# Altium PCB Cubli.PcbDoc (part 1 of 5)
Units mm, origin at the board's own origin, x right, y up, seen from the top; angles counter-clockwise.
Board outline 75.4 x 45.4 mm, 8 copper layers (Top Layer, GND 1, Signal 1, PWR 1, GND 2, Signal 2, PWR 2, Bottom Layer), stack 1.58 mm thick; 473 components, 286 nets, 1760 pads, 916 vias.
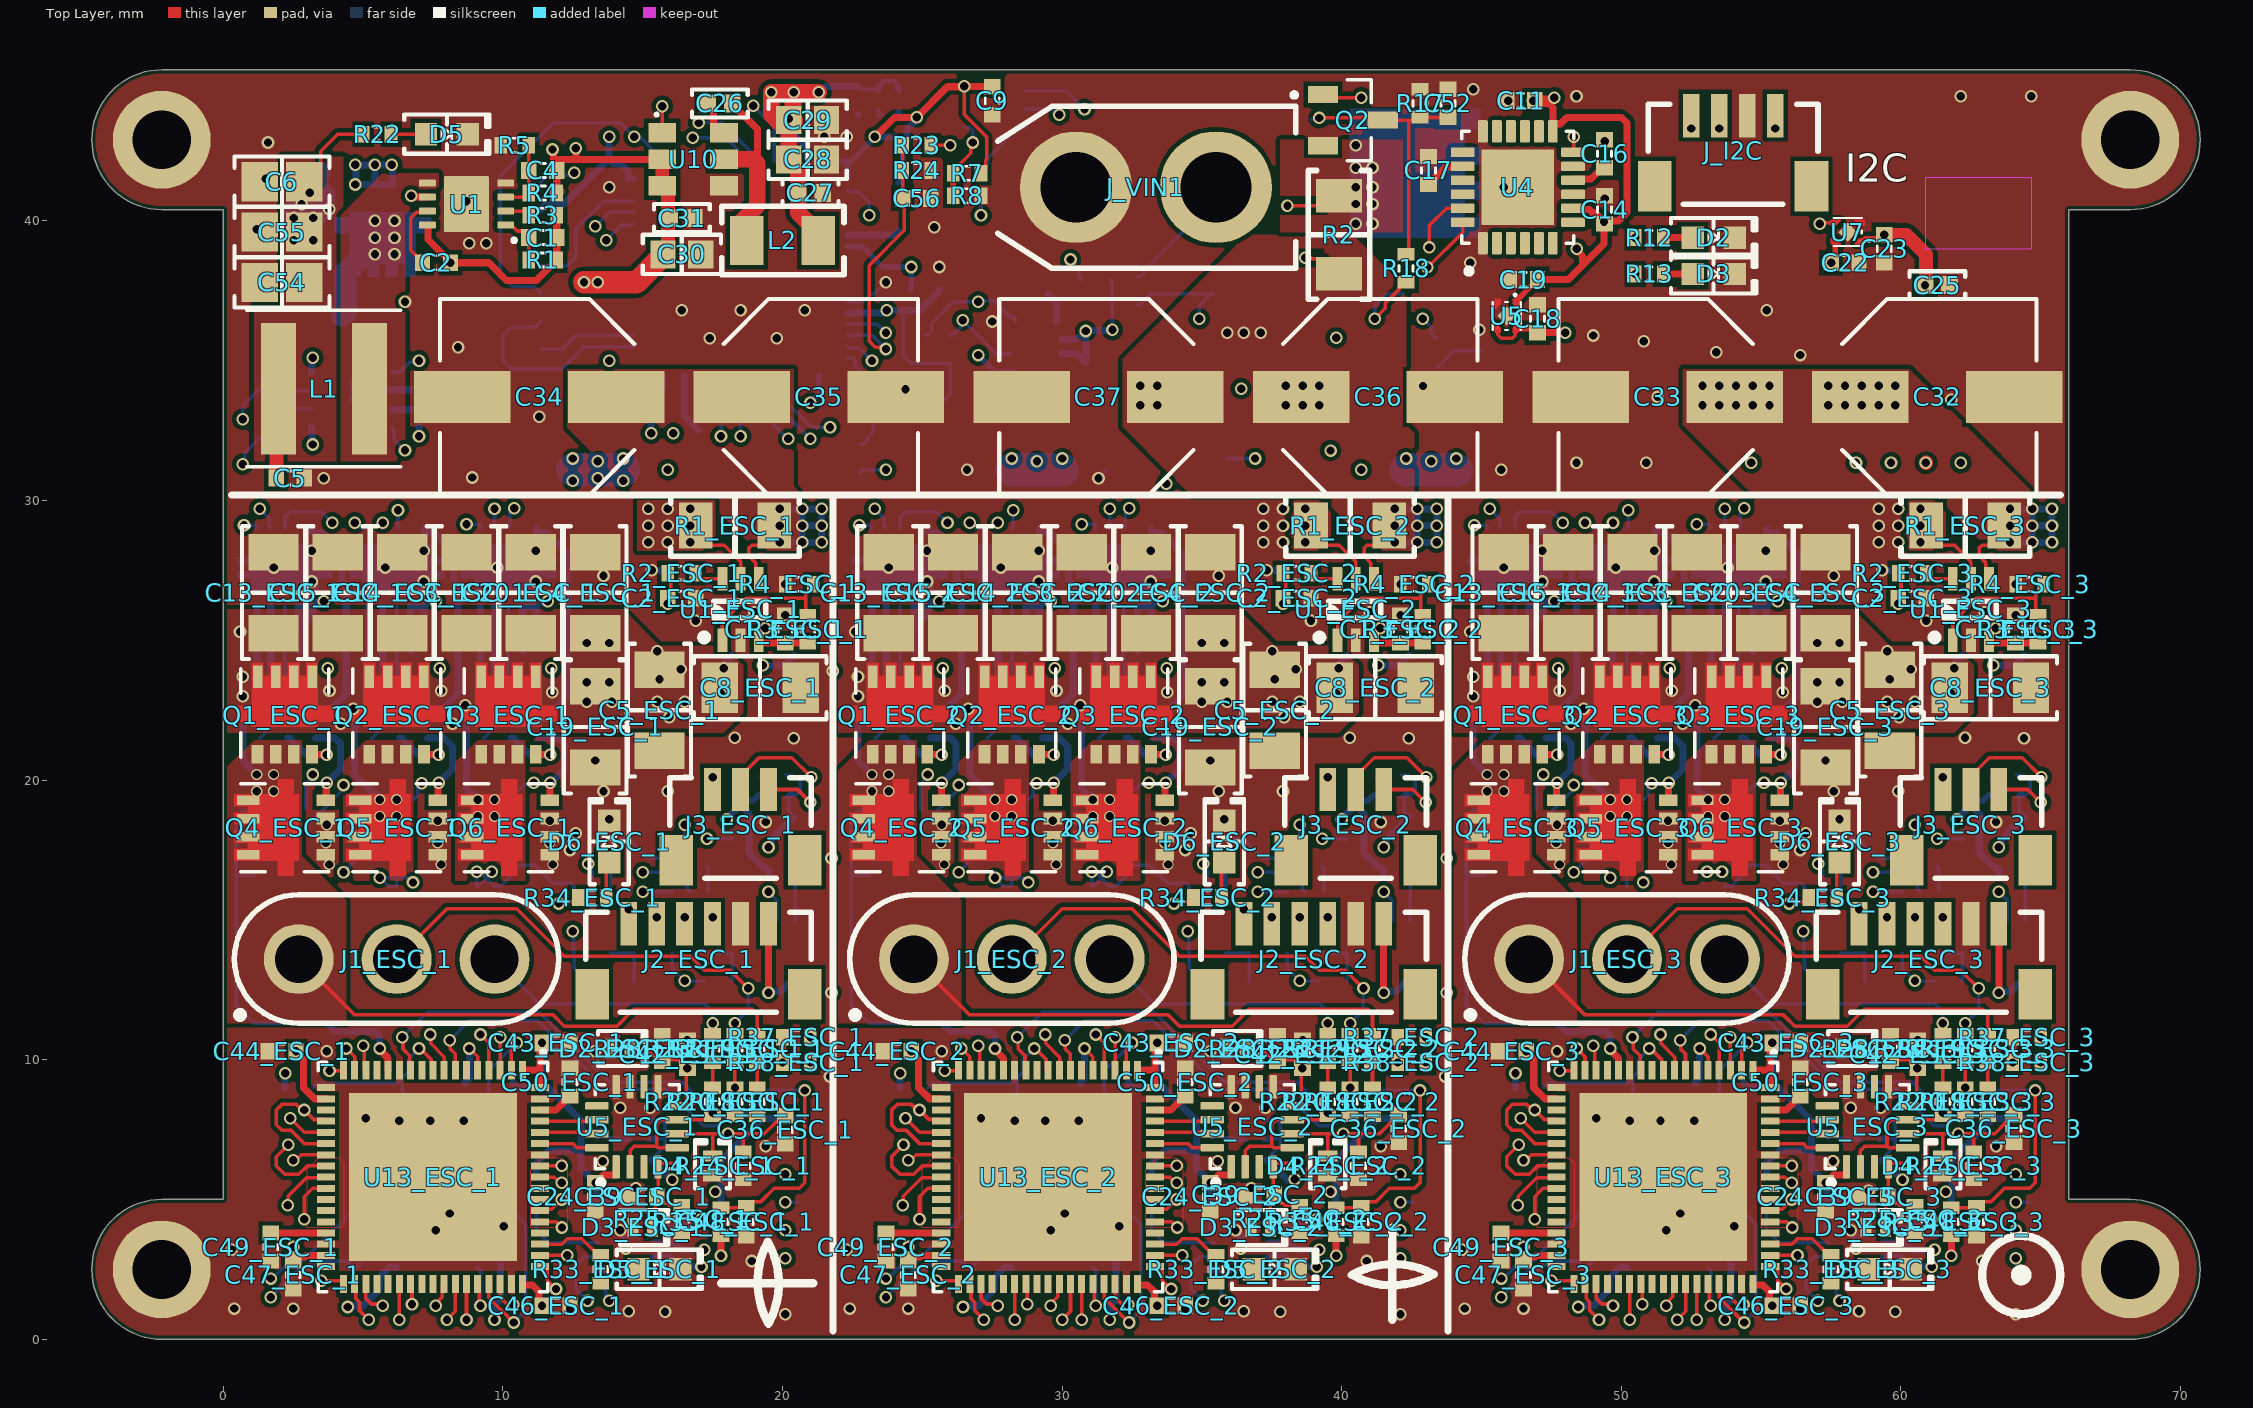
[diagram p0: Top Layer view]
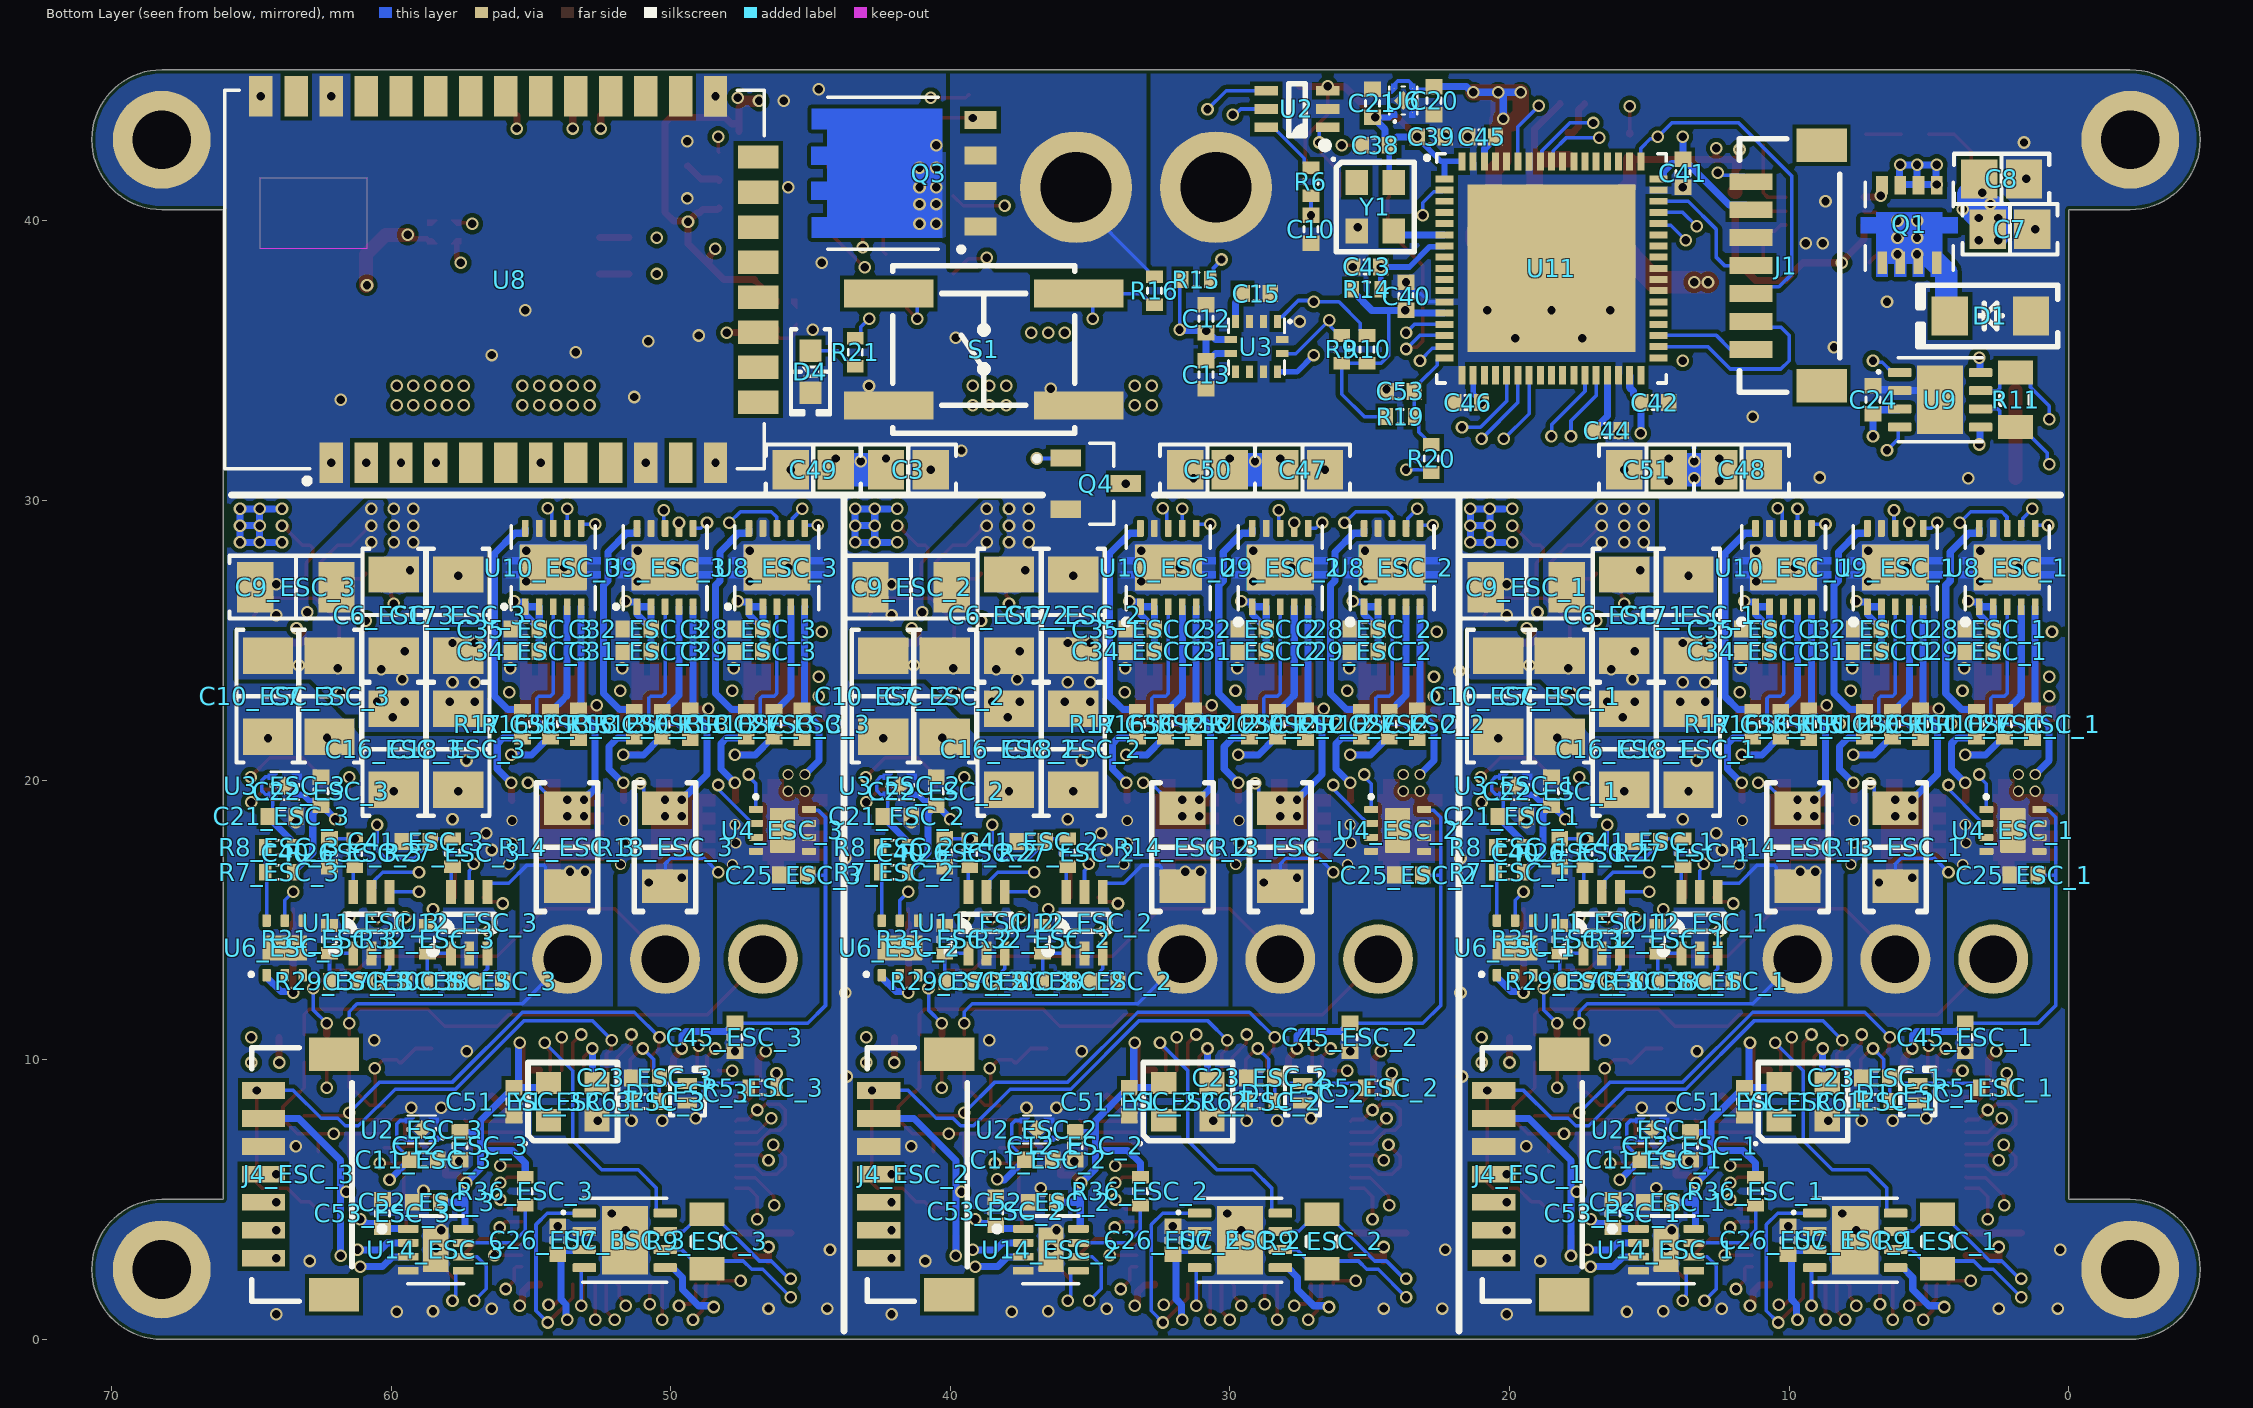
[diagram p1: Bottom Layer view, seen from below]
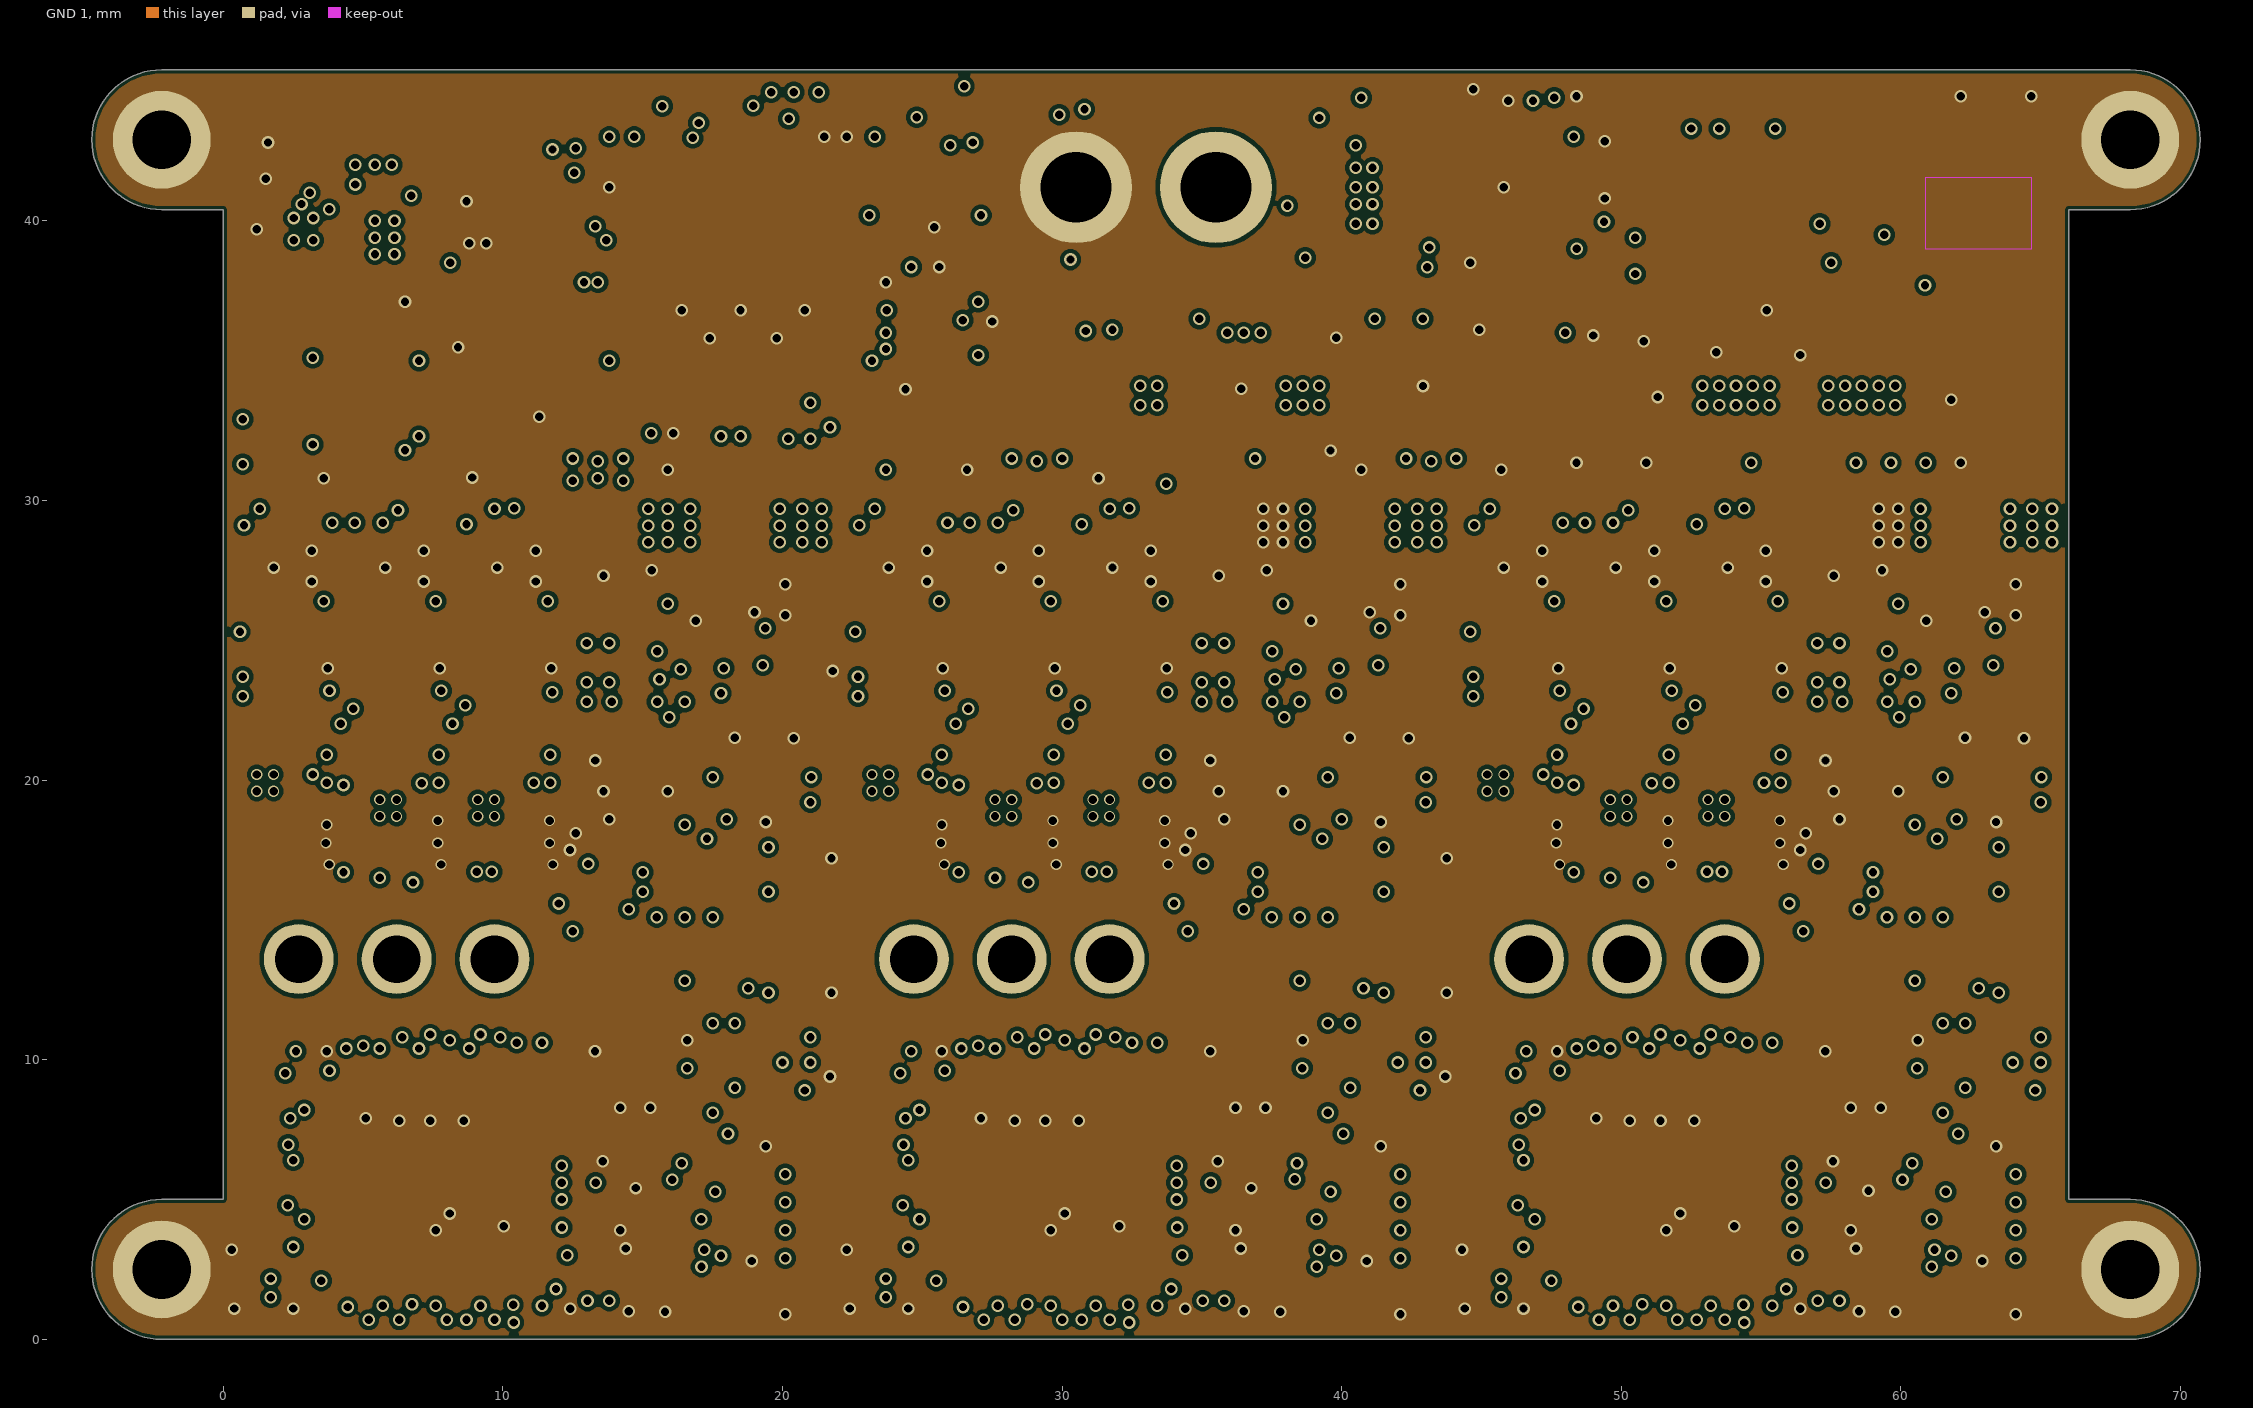
[diagram p2: GND 1]
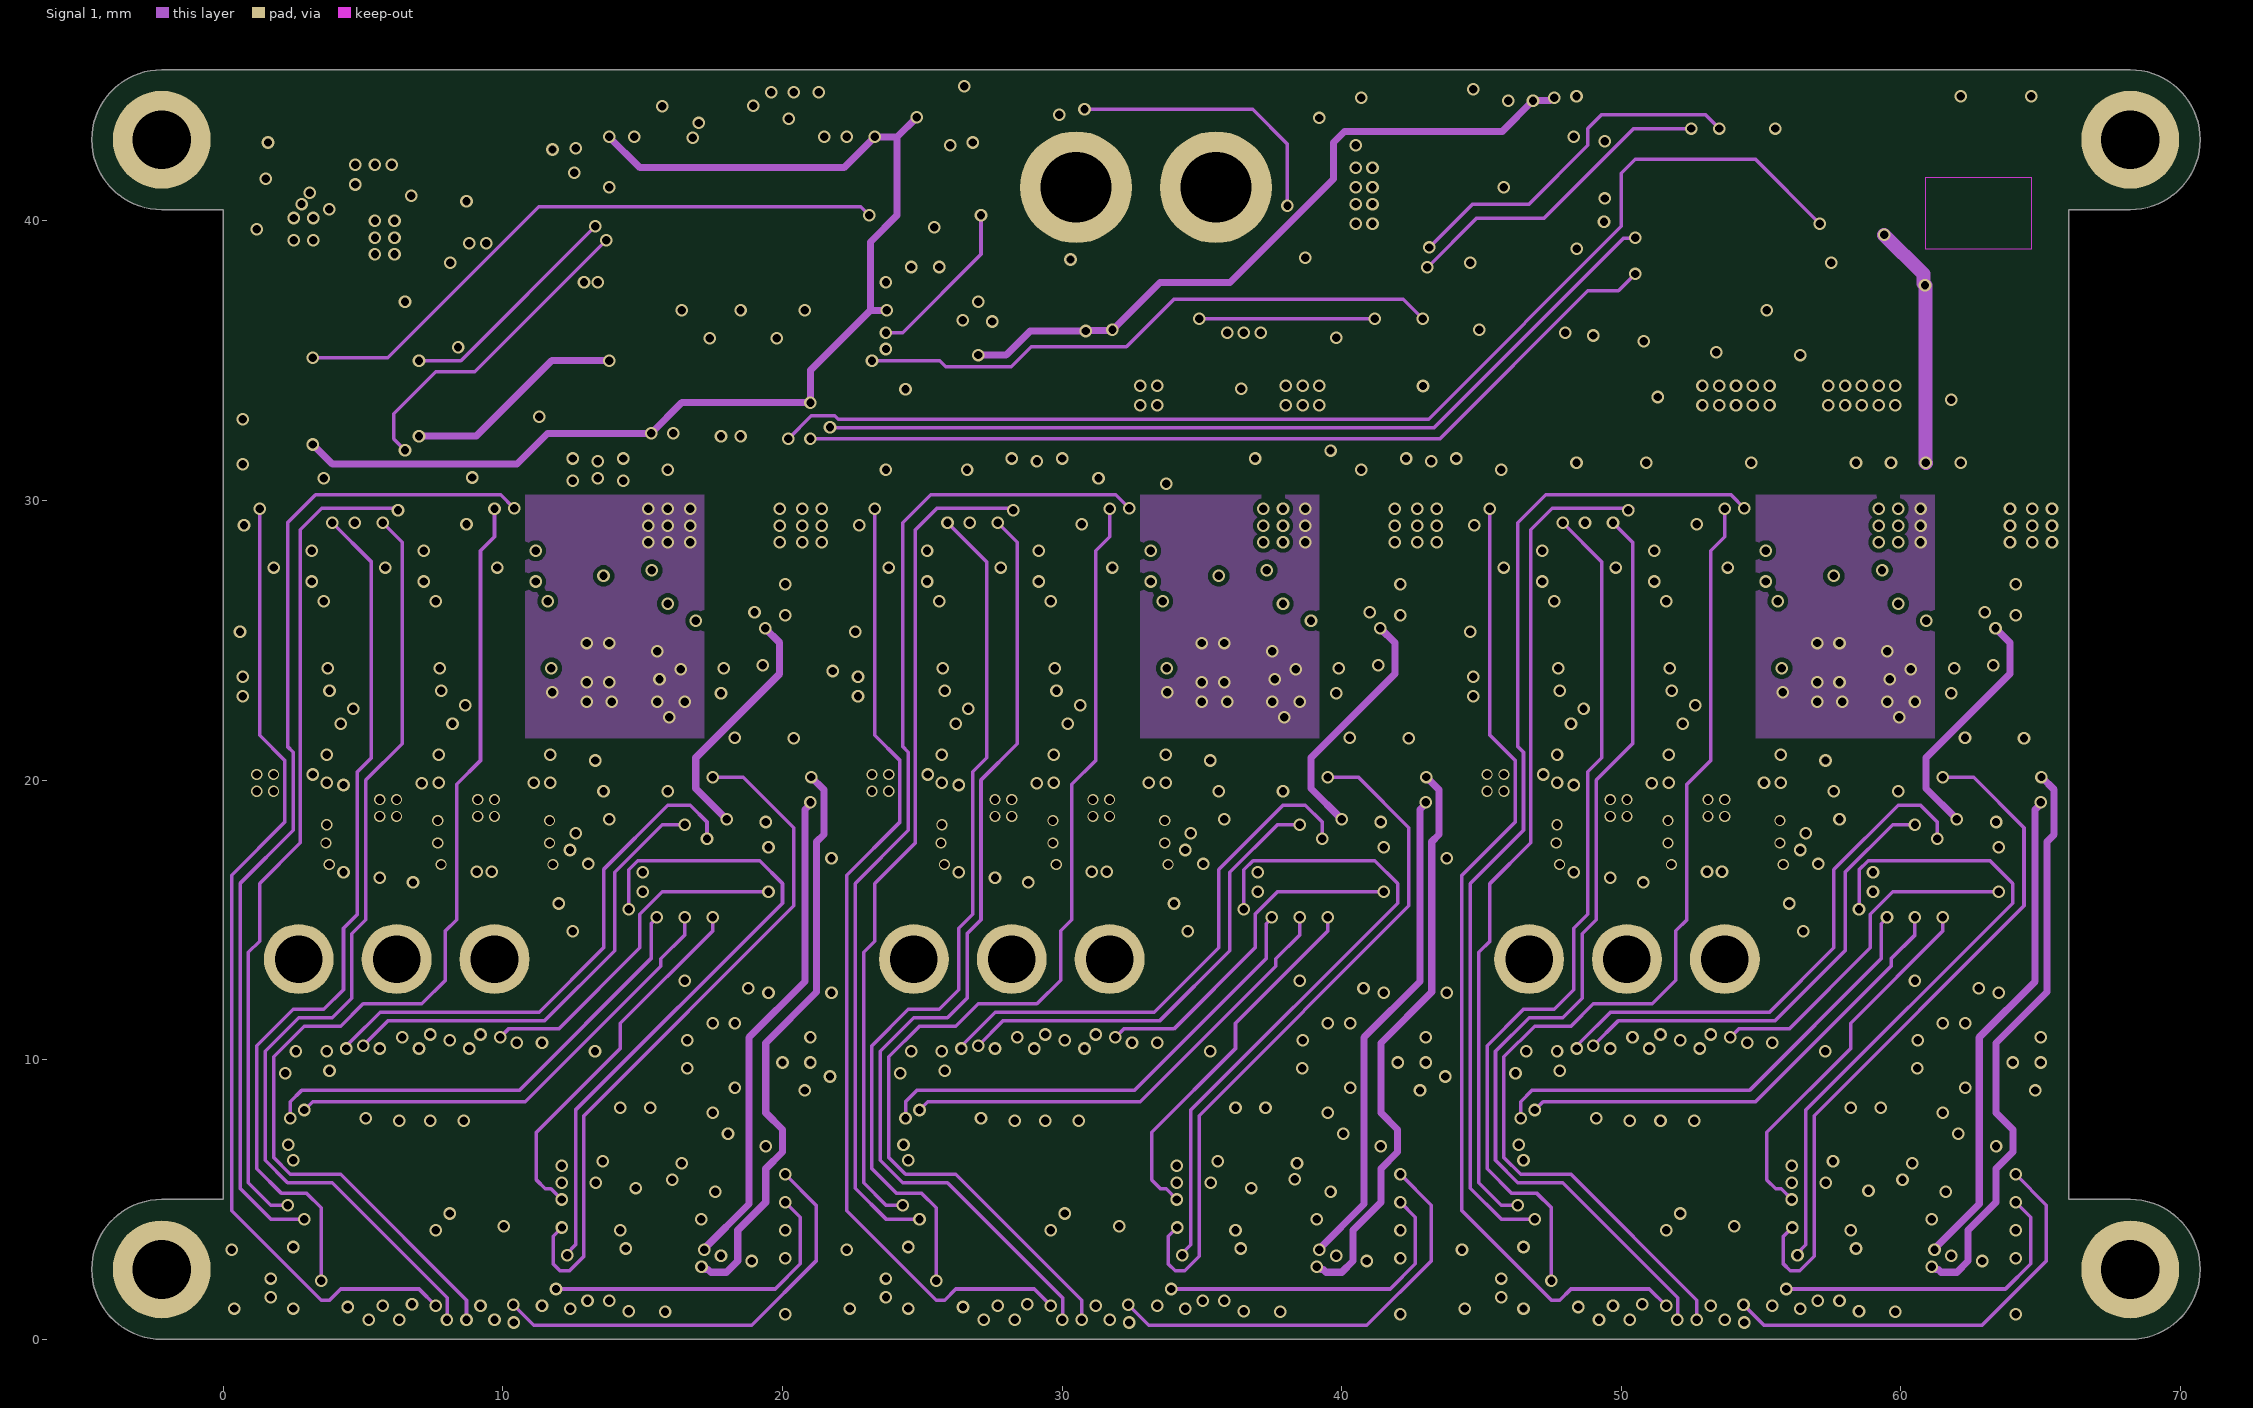
[diagram p3: Signal 1]
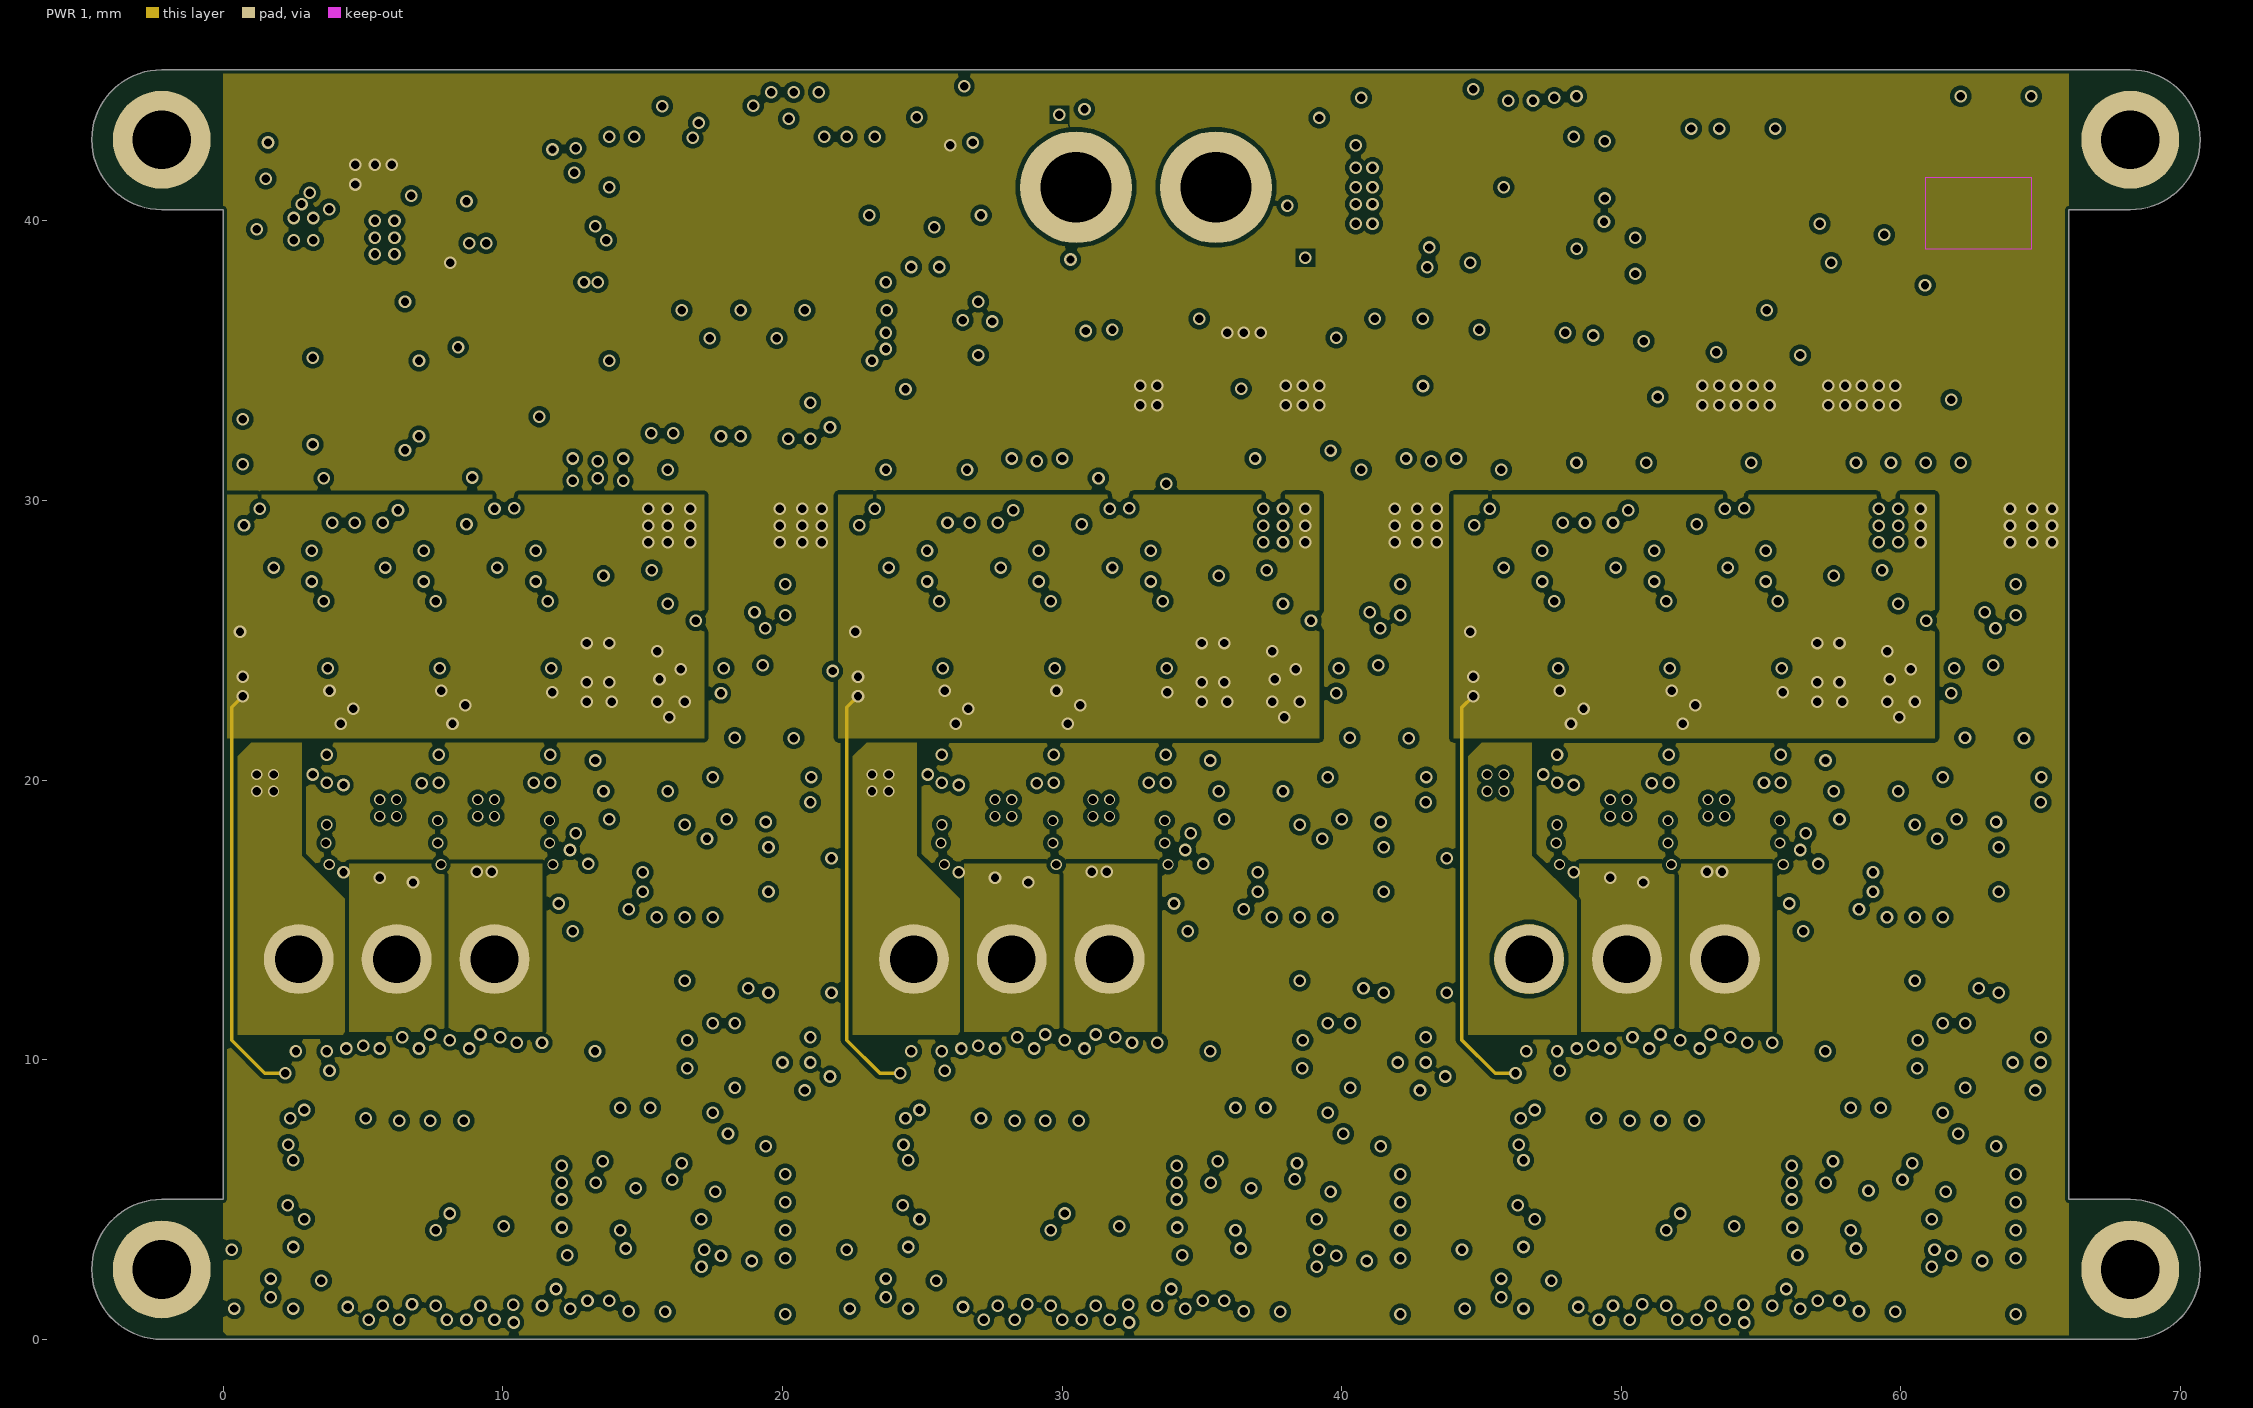
[diagram p4: PWR 1]